# Altium PCB cheriot-test.PcbDoc (part 3 of 12)
Units mil, origin at the board's own origin, x right, y up, seen from the top; angles counter-clockwise.
Board outline 6629.92 x 3149.61 mil, 8 copper layers (Top Layer, Int1 (Sign), Int2 (GND), Int3 (Sign), Int4 (Sign), Int5 (PWR), Int6 (Sign), Bottom Layer), stack 60.424 mil thick; 496 components, 639 nets, 2898 pads, 1737 vias.
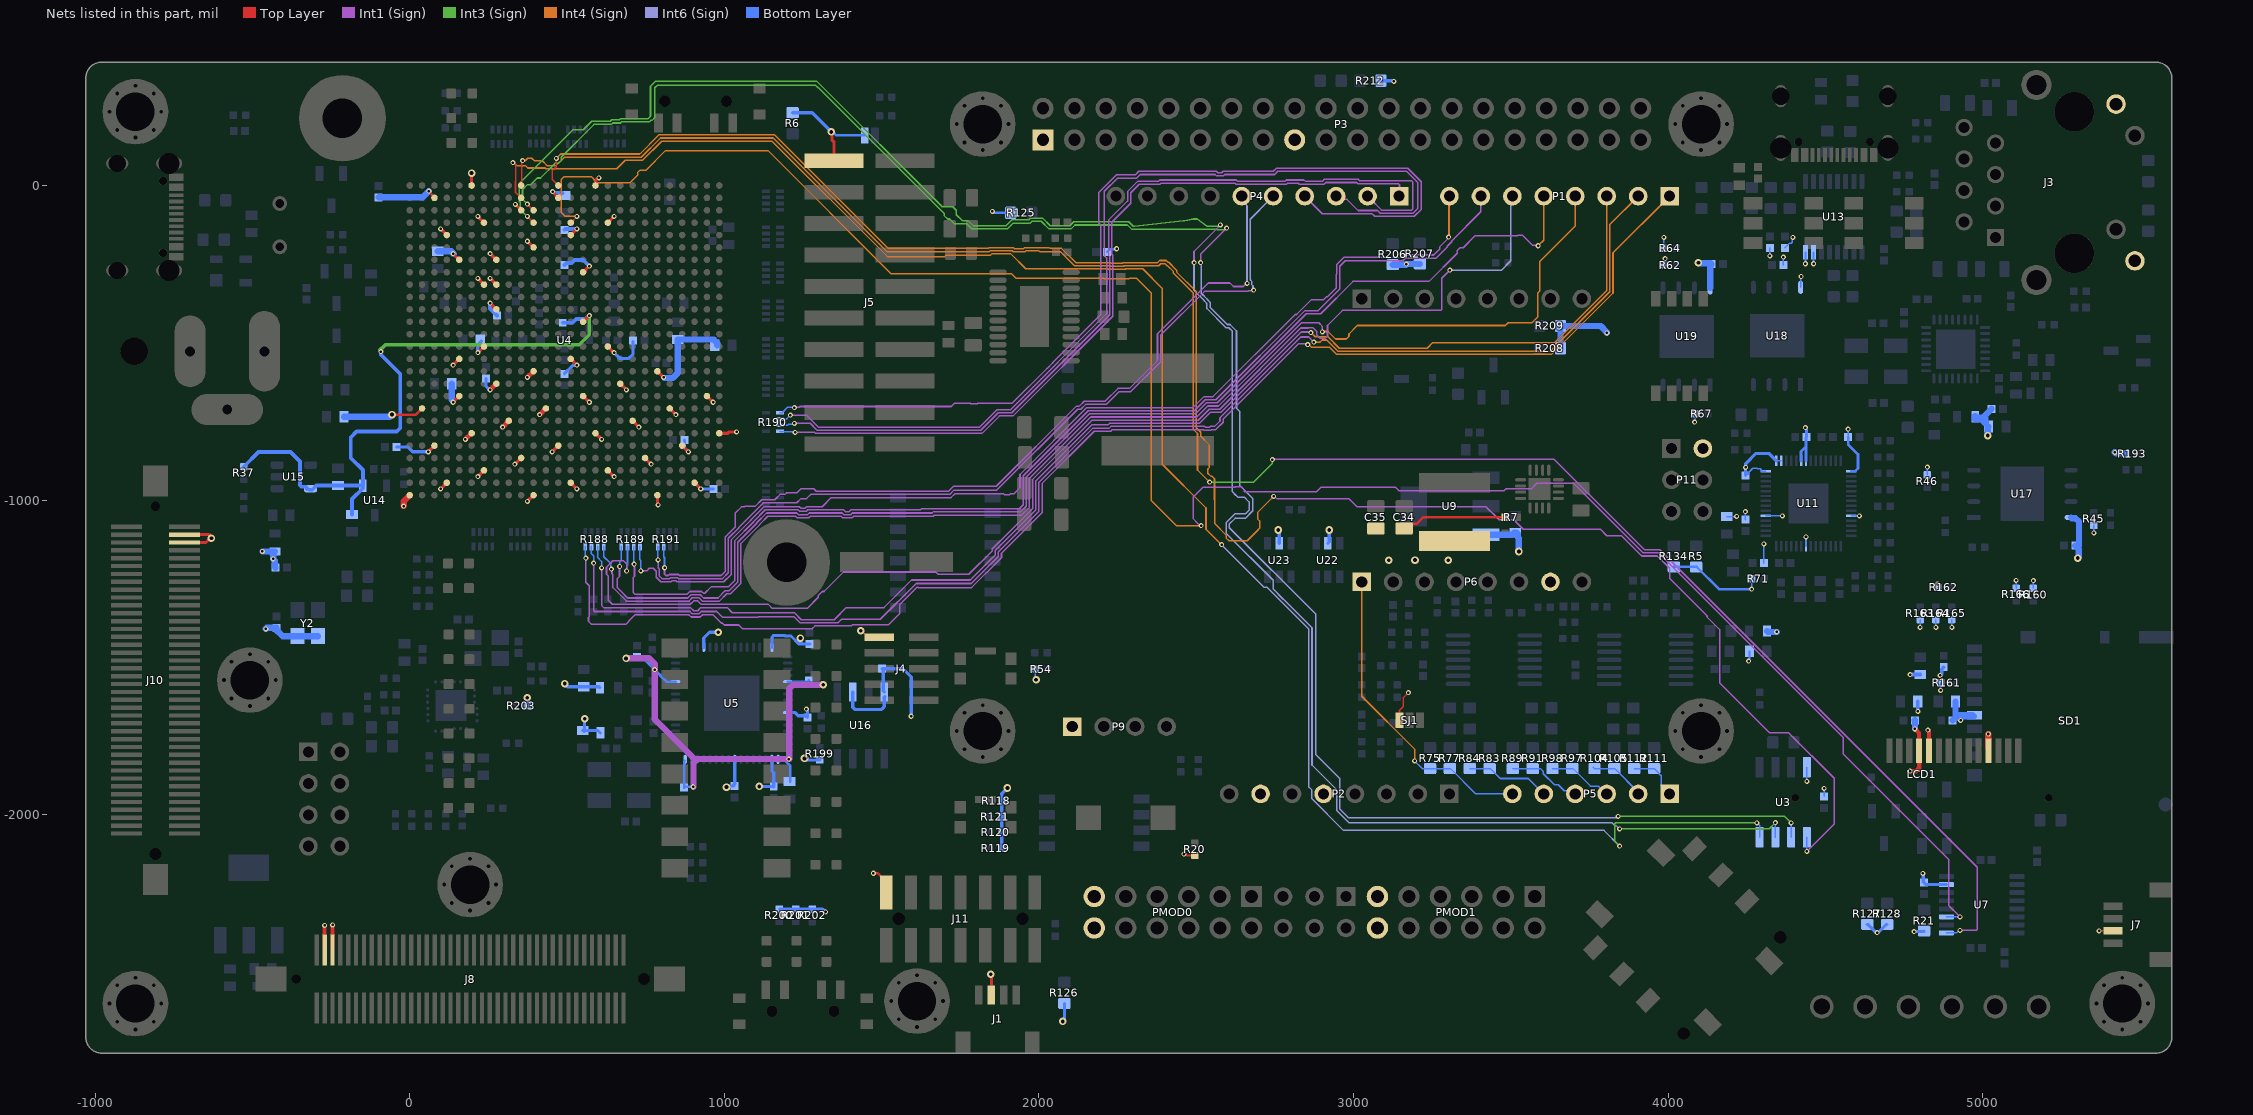
[diagram p9: the nets of this part, all layers, seen from the top]

## Part data (continued)
R47 R48 R49 R50 R51 R52 R55 R57 R59 R60 R61 R63 R65 R66 R68 R69 R70 R168 R169 R171 R186 R187: library part RCHIP-22R-0402, "22R res, 0402, 1%, 1/16W", Case-EIA=0402, Case-Metric=1005, Manufacture 1=Yageo, Manufacture Part Number 1=RC0402FR-0722RL, Rated Power=0.063W, Rated Voltage=75VDC, Supplier Part Number 1=311-22.0LRCT-ND, Temperature Range="-55C to 155C", Tolerance=1%, Component Group=Resistor, Component Type=Standard, Mounting Technology=SMT, Part Number=RCHIP-22R-0402, Pin Count=2, Supplier 1=Digi-Key
R56 R58: library part RCHIP-27R-0402, "27R res, 0402, 1%, 1/16W", Case-EIA=0402, Case-Metric=1005, Manufacture 1=Yageo, Manufacture Part Number 1=RC0402FR-0727RL, Rated Power=0.063W, Rated Voltage=75VDC, Supplier Part Number 1=YAG3086CT-ND, Temperature Range="-55C to 155C", Tolerance=1%, Component Group=Resistor, Component Type=Standard, Mounting Technology=SMT, Part Number=RCHIP-27R-0402, Pin Count=2, Supplier 1=Digi-Key
R73 R74 R193 R203: library part RCHIP-DNM-0402, Case-EIA=0402, Case-Metric=1005, Component Group=Resistor, Component Type=Standard, Part Number=RCHIP-DNM-0402, Pin Count=2
R76 R87 R94 R101 R108 R115: library part RCHIP-150K-0603, "150k res, 0603, 1%, 1/10W", Case-EIA=0603, Case-Metric=1608, Manufacture 1=Yageo, Manufacture Part Number 1=RC0603FR-07150KL, Rated Power=0.1W, Rated Voltage=75VDC, Supplier Part Number 1=311-150KHRCT-ND, Temperature Range="-55C to 155C", Tolerance=1%, Component Group=Resistor, Component Type=Standard, Mounting Technology=SMT, Part Number=RCHIP-150K-0603, Pin Count=2, Supplier 1=Digi-Key
R77 R83 R89 R97 R104 R111: library part RCHIP-1k-0603, "1k res, 0603, 1%, 1/10W", Case-EIA=0603, Case-Metric=1608, Manufacture 1=Yageo, Manufacture Part Number 1=RC0603FR-071KL, Part Number=RCHIP-1K-0603, Rated Power=0.1W, Rated Voltage=75VDC, Supplier Part Number 1=311-1.00KHRCT-ND, Temperature Range="-55C to 155C", Tolerance=1%, Component Group=Resistor, Component Type=Standard, Mounting Technology=SMT, Pin Count=2, Supplier 1=Digi-Key
R78 R85 R92 R99 R106 R113: library part RCHIP-2K-0402, "2k res, 0402, 1%, 1/16W", Case-EIA=0402, Case-Metric=1005, Manufacture 1=Yageo, Manufacture Part Number 1=RC0402FR-072KL, Rated Power=0.063W, Rated Voltage=75VDC, Supplier Part Number 1=311-2KLRCT-ND, Temperature Range="-55C to 155C", Tolerance=1%, Component Group=Resistor, Component Type=Standard, Mounting Technology=SMT, Part Number=RCHIP-2K-0402, Pin Count=2, Supplier 1=Digi-Key
R79 R86 R93 R100 R107 R114: library part RCHIP-180R-0402, "180R res, 0402, 1%, 1/16W", Case-EIA=0402, Case-Metric=1005, Manufacture 1=Yageo, Manufacture Part Number 1=RC0402FR-07180RL, Rated Power=0.063W, Rated Voltage=75VDC, Supplier Part Number 1=311-180LRCT-ND, Temperature Range="-55C to 155C", Tolerance=1%, Component Group=Resistor, Component Type=Standard, Mounting Technology=SMT, Part Number=RCHIP-180R-0402, Pin Count=2, Supplier 1=Digi-Key
R81 R90 R96 R103 R110 R117: library part RCHIP-845R-0402, "845R res, 0402, 1%, 1/16W", Case-EIA=0402, Case-Metric=1005, Manufacture 1=Yageo, Manufacture Part Number 1=RC0402FR-07845RL, Rated Power=0.063W, Rated Voltage=75VDC, Supplier Part Number 1=YAG3244CT-ND, Temperature Range="-55C to 155C", Tolerance=1%, Component Group=Resistor, Component Type=Standard, Mounting Technology=SMT, Part Number=RCHIP-845R-0402, Pin Count=2, Supplier 1=Digi-Key
R125 R126 R127 R128: library part RCHIP-2K2-0603, "2k2 res, 0603, 1%, 1/10W", Case-EIA=0603, Case-Metric=1608, Manufacture 1=Yageo, Manufacture Part Number 1=RC0603FR-072K2L, Rated Power=0.1W, Rated Voltage=75VDC, Supplier Part Number 1=311-2.20KHRCT-ND, Temperature Range="-55C to 155C", Tolerance=1%, Component Group=Resistor, Component Type=Standard, Mounting Technology=SMT, Part Number=RCHIP-2K2-0603, Pin Count=2, Supplier 1=Digi-Key
R130 R131 R132: library part RCHIP-75R-0805, "75R res, 0805, 1%, 1/8W", Case-EIA=0805, Manufacture 1=Yageo, Manufacture Part Number 1=RC0805FR-0775RL, Rated Power=0.125W, Rated Voltage=75VDC, Supplier Part Number 1=311-75.0CRCT-ND, Temperature Range="-55C to 155C", Tolerance=1%, Component Group=Resistor, Component Type=Standard, Mounting Technology=SMT, Part Number=RCHIP-75R-0805, Pin Count=2, Supplier 1=Digi-Key
R167: library part RCHIP-3K01-0402, "3k01 res, 0402, 1%, 1/16W", Case-EIA=0402, Case-Metric=1005, Manufacture 1=Yageo, Manufacture Part Number 1=RC0402FR-073K01L, Rated Power=0.063W, Rated Voltage=75VDC, Supplier Part Number 1=311-3.01KLRCT-ND, Temperature Range="-55C to 155C", Tolerance=1%, Component Group=Resistor, Component Type=Standard, Mounting Technology=SMT, Part Number=RCHIP-3K01-0402, Pin Count=2, Supplier 1=Digi-Key
R170 R172 R173 R174 R175 R176 R177 R178 R179 R180 R181 R182 R183 R184 R185 R188 R189 R190 R191 R194: library part 741C083330JP, "33-ohm, 0.5mm res array", Manufacture 1=CTS, Supplier Part Number 1=741C083330JPCT-ND, Component Group=Resistor, Component Type=Standard, Manufacture Part Number 1=741C083330JP, Mounting Technology=SMT, Part Number=741C083330JP, Pin Count=8, PP Material Stack=0, PP Rotation=0, PP Rotation1=0, Supplier 1=Digi-Key
R195: library part RCHIP-0R-0402, "2 ohm", Case-EIA=0402, Case-Metric=1005, Manufacture 1=Yageo, Manufacture Part Number 1=RC0402FR-070RL, Supplier Part Number 1=311-0.0LRCT-ND, Component Group=Resistor, Component Type=Standard, Part Number=RCHIP-0R-0402, Pin Count=2, Supplier 1=Digi-Key
R196 R197 R198 R204: library part RCHIP-49R9-0805, "49r9 res, 0805, 1%, 1/8W", Case-EIA=0805, Case-Metric=2012, Manufacture 1=Yageo, Manufacture Part Number 1=RC0805FR-0749R9L, Rated Power=0.125W, Rated Voltage=75VDC, Supplier Part Number 1=311-49.9CRCT-ND, Temperature Range="-55C to 155C", Tolerance=1%, Component Group=Resistor, Component Type=Standard, Mounting Technology=SMT, Part Number=RCHIP-49R9-0805, Pin Count=2, RoHS=Yes, Supplier 1=Digi-Key
R206 R207: library part RCHIP-1K8-0603, "1k8 res, 0603, 1%, 1/10W", Case-EIA=0603, Case-Metric=1608, Manufacture 1=Yageo, Manufacture Part Number 1=RC0603FR-071K8L, Rated Power=0.1W, Rated Voltage=75VDC, Supplier Part Number 1=311-1.80KHRCT-ND, Temperature Range="-55C to 155C", Tolerance=1%, Component Group=Resistor, Component Type=Standard, Mounting Technology=SMT, Part Number=RCHIP-1K8-0603, Pin Count=2, Supplier 1=Digi-Key
SD1: library part CMP-2000-05150-1, "Micro SD Card Connector, 0.5 A, 125 V, -25 to 85 degC, 8-Pin SMD, RoHS, Tape and Reel", Manufacturer="Hirose Electric", Package Description="8-Pin Surface Mount Device, Body 16.15 x 13.85 mm, Pitch 1.1 mm", Package Reference=DM3AT-8, Standard Package=1, Card Type=SecureDigital-microSD™, Category=Connectors,Interconnects, Connector Type=ConnectorandEjector, Contact Finish=Gold, Contact Finish Thickness=-, Datasheet URL=https://ciiva.com/datasheet-click-46418261?src=ciiva&sig=4019062a, Datasheet Version=Jun-10, Ejector Side=-, Family=MemoryConnectors-PCCardSockets, Featured Product=DM3ATSeries, Features=Switch, Height Above Board="0.066\"(1.68mm)", HTML Datasheet=DM3SeriesmicroSD.html, Insertion, Removal Method=PushIn,PushOut, Manufacturer URL=https://www.hirose.com, Mounting Feature=Normal,Standard-Top, Mounting Type=SurfaceMount,RightAngle, Number of Positions=10(8+2), Online Catalog=DM3Series, Other Names=HR1964DKR, Package URL=https://www.hirose.com/product/en/download_file/key_name/DM3/category/Catalog/doc_file_id/49662/?file_category_id=4&item_id=195&is_series=1, Packaging=Digi-Reel, Product Training Modules=DM3SeriesmicroSDCardSockets, Series=DM3
SJ1: library part SJ_3S_12JMP, "Solder Jumper, NC", Component Group="PCB Feature", Component Type="Standard (No BOM)", Mounting Technology=COPPER, Part Number=SJ_3S_12JMP, Pin Count=3
SJ2: library part SJ_2S_NO, "Solder Jumper, NO", Component Group="PCB Feature", Component Type="Standard (No BOM)", Mounting Technology=COPPER, Part Number=SJ_2S_NO, Pin Count=2
SW1 SW6: library part CMP-07018-000008-1, "SWITCH SLIDE DIP SPST 25MA 24V", Current Rating=25mA, Max Operating Temperature=85°C, Max Voltage Rating (DC)=24V, Min Operating Temperature=-55°C, Package Quantity=2000, Actuator Type="Slide (Standard)", Contact Material=Copper, Contact Plating=Gold, Depth=8.44mm, Electrical Life=1000Cycles, Lead Free="Lead Free", Length=0.246inch, Max Current Rating=25mA, Mechanical Life=1000Cycles, Mount="Surface Mount", Number of Positions=4, Orientation=Straight, Packaging="Tape and Reel", Pitch=0.05inch, Radiation Hardening=No, RoHS Compliant=Yes, Series=218, Termination="Gull Wing", Throw Configuration=SPST, Voltage Rating (DC)=24V, Washable=Yes
SW2: library part CMP-07018-000007-1, "SWITCH SLIDE DIP SPST 25MA 24V", Contact Resistance=100mR, Current Rating=25mA, Max Operating Temperature=85°C, Max Voltage Rating (DC)=24V, Min Operating Temperature=-55°C, Package Quantity=40, Actuator Type="Slide (Standard)", Contact Material=Copper, Contact Plating=Gold, Depth=8.44mm, Electrical Life=1000Cycles, Height=2.65mm, Lead Free="Lead Free", Length=0.446inch, Max Current Rating=25mA, Mount="Surface Mount", Number of Positions=8, Orientation=Straight, Packaging=Rail/Tube, Pitch=0.05inch, Radiation Hardening=No, RoHS Compliant=Yes, Series=218, Terminal Pitch=1.27mm, Termination="Gull Wing", Throw Configuration=SPST, Voltage Rating (DC)=24V, Washable=Yes
SW3 SW7: library part CMP-71745-000014-1, "SWITCH SLIDE SP3T 300MA 4V", Current Rating=300mA, Max Operating Temperature=70°C, Max Voltage Rating (DC)=20V, Min Operating Temperature=-20°C, Voltage Rating (DC)=4V, Actuator Length=1.5mm, Actuator Material=Nylon, Actuator Type=Standard, Contact Material="Copper Alloy", Contact Plating=Gold, Contact Style=Non-Shorting, Electrical Life=10000Cycles, Mount="Surface Mount", Orientation="Right Angle", Packaging="Tape and Reel", Radiation Hardening=No, RoHS Compliant=Yes, Series=CUS, Switch Function=On-On-On, Switch Travel=1.5mm, Termination="Gull Wing", Throw Configuration=SP3T
SW4: library part CMP-03400-000015-1, "SWITCH SLIDE DIP SPST 100MA 24V", Contact Current Rating=100mA, Contact Resistance=50mΩ, Current Rating=1A, Manufacturer="TE Connectivity", Package=0, Temperature="-30°C to +85°C", Temperature Range High=+85°C, Temperature Range Low=-30°C, Voltage Rating Dc=24V, Automotive=No, Category=Switch, ComponentLink2Description=Datasheet, ComponentLink2URL=https://www.te.com/commerce/DocumentDelivery/DDEController?Action=showdoc&DocId=Customer+Drawing%7F1825058%7FS5%7Fpdf%7FEnglish%7FENG_CD_1825058_S5.pdf%7F1-1825058-9, Device Class L1=Electromechanical, Device Class L2=Switches, Device Class L3="DIP Switches", Digikey Description="SWITCH SLIDE DIP SPST 100MA 24V", Electromechanical Life=1000Cycles, Height=5.1mm, Lead Free=Yes, Manufacturer Part Number=1-1825058-9, Mount="Surface Mount", Number Of Circuits=8, Octopart=https://octopart.com/1-1825058-9-te+connectivity-46507285, RoHS=TRUE, Throw Configuration=SPST
SW5: "Pushbutton, SMD, 2.5NM force, NO", Manufacture 1=Panasonic, Supplier Part Number 1=P16856CT-ND, Component Group=Switch, Component Type=Standard, Manufacture Part Number 1=EVP-ASDC1A, Mounting Technology=SMT, Part Number=EVP-ASDC1A, Pin Count=2, Supplier 1=Digi-Key
SW8: "5-Way Joystick", Manufacture 1=TE, Component Group=Switch, Component Type=Standard, Manufacture Part Number 1=2425755-1, Part Number=2425755-1, Pin Count=10, PP Material Stack=0, PP Rotation=0, PP Rotation1=0, Supplier 1=Digi-Key
SW9 SW10: library part CMP-10040-000023-1, "SWITCH TACTILE SPST-NO 0.05A 32V", Contact Current Rating=50mA, Max Operating Temperature=85°C, Max Voltage Rating (DC)=32V, Min Operating Temperature=-40°C, Operating Force=1.2N, Package Quantity=1, Power Rating=1W, Actuator Length=0.5mm, Actuator Type=Standard, Contact Material=Silver, Contact Plating=Silver, Current Rating=50mA, Depth=4.6mm, Illumination Type=Non-Illuminated, Lead Free="Lead Free", Length=2.8mm, Max Current Rating=50mA, Mechanical Life=200000Cycles, Mount="Surface Mount", Orientation=Straight, Packaging="Tape and Reel", Radiation Hardening=No, REACH SVHC="No SVHC", Switch Function=Off-Mom, Switch Travel=0.2mm, Termination="Gull Wing", Throw Configuration=SPST, Voltage Rating (DC)=32V, Width=2.8mm
U1: "USB 2.0 high-speed ESD", Supplier Part Number 1=568-7445-1-ND, Component Group=Diode, Component Type=Standard, Part Number=PRTR5V0U2AX, Pin Count=4, Supplier 1=Digi-Key
U2: "IC REG LIN POS 3.3V 800MA SOT223", Manufacture 1=STMicroelectronics, Manufacture Part Number 1=LD1117S33TR, Rated Voltage=15V, Supplier Part Number 1=497-1242-1-ND, Component Group="Analog IC", Component Type=Standard, Mounting Technology=SMT, Part Number=LD1117S33, Pin Count=3, PP Material Stack=0, PP Rotation=0, RoHS=Yes, Supplier 1=Digi-Key
U3: library part ISL83485I, "IC TXRX RS422/RS485", Manufacture 1=Renesas, Supplier Part Number 1=ISL83485IBZ-TCT-ND, Component Group="Digital IC", Component Type=Standard, Manufacture Part Number 1=ISL83485IBZ-T, Mounting Technology=SMT, Part Number=ISL83485I, Pin Count=8, RoHS=Yes, Supplier 1=Digi-Key
U4: library part CMP-0364-00015-4, "IC FPGA 400 I/O 676FCBGA", Manufacturer=Xilinx, Max Junction Temp=+85°C, Max Supply Voltage=1.05V, Min Supply Voltage=0.95V, Package=0, Temperature="0°C to +85°C", Temperature Range Low=0°C, Automotive=No, Category=IC, Ciiva Ids=8919048, ComponentLink2Description=Datasheet, ComponentLink2URL=https://www.xilinx.com/support/documentation/data_sheets/ds181_Artix_7_Data_Sheet.pdf, Device Class L1="Integrated Circuits (ICs)", Device Class L2="Embedded Processors and Controllers", Device Class L3="FPGAs - Field Programmable Gate Arrays", Digikey Description="IC FPGA 400 I/O 676FCBGA", Footprint Url=https://www.xilinx.com/support/documentation/user_guides/ug475_7Series_Pkg_Pinout.pdf, Height=2.54mm, Import Ts=1521861070, Ipc Land Pattern Name=BGA676C100P26X26_2700X2700X234, Lead Free=Yes, Manufacturer Part Number=XC7A200T-1FBG676C, Memory Size=1GBytes, Memory Type=DDR3, Number Of I/Os=500, Number Of Logic Blocks=16825, Number Of Logic Elements Cells=215360, Number Of Registers=269200, Octopart=https://octopart.com/xc7a200t-1fbg676c-xilinx-27810760, Ram Size=13455360bits, Release Date=1402465632, RoHS=TRUE, Speed Grade=1, Standoff Height=0.4mm, Temperature Range High=+85°C
U5: library part CMP-0078-00002-3, "Quad High Speed USB To Multipurpose UART/MPSSE IC, 64-pin QFN, Tray", Manufacturer=FTDI, ComponentLink1Description="Manufacturer URL", ComponentLink1URL=http://www.ftdichip.com/, ComponentLink2Description=Datasheet, ComponentLink2URL=http://www.ftdichip.com/Support/Documents/DataSheets/ICs/DS_FT4232H.pdf, DatasheetVersion="ver 2.2, Jan-2012", PackageDescription="64-Pin Quad Flat No-Lead, 9 x 9 mm Body, 0.5 mm Pitch, 4.35 x 4.35 mm Exposed Pad", PackageReference=QFN64_2, PackageVersion=Jan-12, PartNumber=FT4232HQ-Tray, RevisionNote="DatasheetVersion updated to 2.2 Jan-2012"
U6: library part CMP-2000-06522-2, "IC ETHERNET CTLR 1PORT PCI 32MLF", Case/Package=QFN, Max Operating Temperature=85°C, Max Supply Current=85mA, Max Supply Voltage=3.5V, Min Operating Temperature=-40°C, Min Supply Voltage=3.1V, Nominal Supply Current=75mA, Operating Supply Voltage=3.3V, Package Quantity=1000, Data Rate=100Mbps, Height=0.85mm, Interface=SPI, Lead Free="Lead Free", Length=5mm, Mount="Surface Mount", Number of Functions=1, Number of Pins=32, Number of Ports=1, Number of Transceivers=1, Packaging="Tape and Reel", Radiation Hardening=No, REACH SVHC="No SVHC", Series=-, Supply Current=75mA, Supply Voltage-Nom=3.3V, Width=5mm
U7: library part CMP-0299-01761-2, "3-V to 5.5-V Single-Channel RS-232 Line Driver / Receiver with ±15-kV ESD Protection, -40 to 85 degC, 16-Pin TSSOP (PW), Green (RoHS & no Sb/Br)", Drivers Per Package=1, Supply Voltage(s)(V)="3.3 or 5.0", ComponentLink1Description="Manufacturer URL", ComponentLink1URL=www.ti.com, ComponentLink2Description=Datasheet, ComponentLink2URL=http://www.ti.com/general/docs/lit/getliterature.tsp?genericPartNumber=MAX3221&fileType=pdf, ComponentLink3Description="Package Specification", ComponentLink3URL=http://www.ti.com/litv/pdf/mpds361, DatasheetVersion=SLLS348M, ESD HBM(kV)=+/-15, ICC(Max)(mA)=1, PackageDescription="16-Pin Plastic Thin Small Outline Package 5 x 4.4 mm Body ,0.65 mm Pitch", PackageReference=PW0016A, PackageVersion="revG, Feb-2011", Receivers Per Package=1, RS-232=TRUE, Single Supply=TRUE, SubFamily=RS-232
U8: "Switching supply controller, 2A", Manufacture 1=Richtek, Component Group="Analog IC", Component Type=Standard, Manufacture Part Number 1=RT8058, Part Number=RT8058, Pin Count=17, PP Material Stack=0, PP Rotation=0
U9: "IC REG LIN POS 1.8V 800MA SOT223", Manufacture 1=STMicroelectronics, Manufacture Part Number 1=LD1117S18TR, Rated Voltage=15V, Supplier Part Number 1=497-7308-1-ND, Component Group="Analog IC", Component Type=Standard, Mounting Technology=SMT, Part Number=LD1117S18, Pin Count=3, PP Material Stack=0, PP Rotation=0, RoHS=Yes, Supplier 1=Digi-Key
U10: "IC Reg Buck Adj/Prog 12A", Manufacture 1="Texas Instruments", Supplier Part Number 1=296-TPS56C20PWPRCT-ND, Component Group="Analog IC", Component Type=Standard, Manufacture Part Number 1=TPS56C20PWPR, Mounting Technology=SMT, Part Number=TPS56C20PWPR, Pin Count=25, PP Material Stack=0, PP Rotation=0, PP Rotation1=0, Supplier 1=Digi-Key
U11: "Connector", Manufacturer_Name=RASPBERRY-PI, Manufacturer_Part_Number=SC0914(7), Mouser Part Number=358-SC09147, Datasheet Link=https://www.mouser.com/datasheet/2/635/rp2040_datasheet-3048960.pdf, Height=0.9mm, Mouser Price/Stock=https://www.mouser.co.uk/ProductDetail/Raspberry-Pi/SC09147?qs=T%252BzbugeAwjhSpdbCB4ve%252Bg%3D%3D
U12: library part CMP-06284-000010-1, "IC HUB CTLR USB 2.0 24QFN", Ambient Temperature Range High=+85°C, Ambient Temperature Range Low=-40°C, Manufacturer=Microchip, Max Supply Voltage=3.6V, Min Supply Voltage=3V, Nominal Supply Current=29-70mA, Package=24-S4QFN-4x4B-0.5P, Temperature="-40°C to +85°C", Automotive=No, Category=IC, ComponentLink2Description=Datasheet, ComponentLink2URL=http://ww1.microchip.com/downloads/en/DeviceDoc/00001726B.pdf, Device Class L1="Integrated Circuits (ICs)", Device Class L2="Interface ICs", Device Class L3="USB Interface ICs", Digikey Description="IC HUB CTLR USB 2.0 24QFN", Height=1mm, Interface=I2C,USB,SMBus, Ipc Land Pattern Name=QFN50P400X400X90-24, Lead Free=Yes, Manufacturer Part Number=USB2422-I/MJ, Mouser Description="Microchip USB2422-I/MJ; USB Controller; USB 2.0; 3 - 3.6 V; 24-Pin SQFN", Number of Ports=2, Octopart=https://octopart.com/usb2422-i%2Fmj-microchip-29030614, RoHS=TRUE, Standoff Height=0mm, Temperature Range High=+85°C, Temperature Range Low=-40°C, Usb Standard="USB 2.0"
U13: library part CMP-0309-00090-2, "Advanced USB Transciever, Full Speed, Differential, +/-15 KV, -40 to 85 degC, 16-Pin TSSOP (PW), Green (RoHS & no Sb/Br)", Manufacturer="Texas Instruments", Code_JEDEC=MO-153, ComponentLink1Description=Datasheet, ComponentLink1URL=http://www.ti.com/general/docs/lit/getliterature.tsp?genericPartNumber=TUSB1106&fileType=pdf, ComponentLink2Description="Package Specification", ComponentLink2URL=http://www.ti.com/lit/ml/mpds361/mpds361.pdf, DatasheetVersion=SCAS818E, Eco-Plan="Green (RoHS & no Sb/Br)", ESD HBM(kV)=+/-15, Mounting Technology="Surface Mount", PackageDescription="16-Pin Plastic Thin Small Outline Package 5 x 4.4 mm Body ,0.65 mm Pitch", PackageReference=PW0016A, PackageVersion="revG, Feb-2011", PartNumber=TUSB1106PWR, SubFamily="USB Transceiver", USB Speed=Full
U14: "IC VREF SERIES 0.2% SOT23-3", Case/Package=SOT-23, Manufacture 1="Texas Instruments", Max Input Voltage=5.5V, Max Operating Temperature=125°C, Max Output Current=25mA, Max Output Voltage=1.25V, Max Supply Current=50uA, Min Input Voltage=1.8V, Min Operating Temperature=-40°C, Min Output Voltage=1.248V, Nominal Supply Current=42uA, Package Quantity=1, Supplier Part Number 1=REF3012AIDBZTTR-ND, Temperature Coefficient=50ppm/°C, Category="Voltage References", Component Group="Analog IC", Component Type=Standard, ComponentLink3Description=https://datasheet.ciiva.com/2007/ref3012-2007154.pdf?src-supplier=Digi-Key, ComponentLink3URL=https://datasheet.ciiva.com/2007/ref3012-2007154.pdf?src-supplier=Digi-Key, ComponentLink4Description=https://datasheet.ciiva.com/2007/ref3012-2007155.pdf?src-supplier=Digi-Key, ComponentLink4URL=https://datasheet.ciiva.com/2007/ref3012-2007155.pdf?src-supplier=Digi-Key, ComponentLink5Description=https://datasheet.ciiva.com/3235/ref3033-3235533.pdf?src-supplier=Avnet, ComponentLink5URL=https://datasheet.ciiva.com/3235/ref3033-3235533.pdf?src-supplier=Avnet, ComponentLink6Description=https://datasheet.ciiva.com/3235/ref3033-3235534.pdf?src-supplier=Avnet, ComponentLink6URL=https://datasheet.ciiva.com/3235/ref3033-3235534.pdf?src-supplier=Avnet, Height=1mm, Lead Free="Lead Free", Length=2.92mm, Manufacture Part Number 1=REF3012AIDBZT, Manufacturer Part Number=REF3012AIDBZT, Mounting Technology=SMT, Number of Channels=1, Number of Pins=3, Output Current=25mA, Output Voltage=1.25V, Packaging="Tape and Reel", Part Number=REF3012AIDBZT, Pin Count=3, PP Material Stack=0, PP Rotation=0, Pricing 1="1=1.18000, 10=1.05300, 25=0.99960, 100=0.76760 (USD)", Quiescent Current=50uA, Radiation Hardening=No, REACH SVHC="No SVHC", Reference Type=Series,Fixed, Reference Voltage=1.25V, RoHS=Yes, Stock 1=7831, Supplier 1=Digi-Key, Termination=SMD/SMT, Width=1.3mm
U15: library part ADP123AUJZ-R7, "IC REG LIN POS ADJ 300MA TSOT5", Case/Package=TSOT, Dropout Voltage=85mV, Manufacture 1="Analog Devices Inc.", Max Input Voltage=5.5V, Max Operating Temperature=125°C, Max Output Current=300mA, Max Output Voltage=5V, Max Supply Current=170uA, Min Current Limit=350mA, Min Input Voltage=2.3V, Min Operating Temperature=-40°C, Min Output Voltage=800mV, Nominal Supply Current=45uA, Output Voltage Accuracy=1%, Power Supply Rejection Ratio (PSRR)=60dB, Reference Voltage=500mV, Supplier Part Number 1=ADP123AUJZ-R7TR-ND, Accuracy=1%, Category="Voltage Regulators - Linear", Component Group="Analog IC", Component Type=Standard, ComponentLink3Description=https://datasheet.ciiva.com/2040/adp122-123-2040698.pdf?src-supplier=Digi-Key, ComponentLink3URL=https://datasheet.ciiva.com/2040/adp122-123-2040698.pdf?src-supplier=Digi-Key, ComponentLink4Description=https://datasheet.ciiva.com/2040/adp122-123-2040699.pdf?src-supplier=Digi-Key, ComponentLink4URL=https://datasheet.ciiva.com/2040/adp122-123-2040699.pdf?src-supplier=Digi-Key, Contact Plating=Tin,Matte, Height=0.9mm, Lead Free="Contains Lead", Length=2.9mm, Manufacture Part Number 1=ADP123AUJZ-R7, Manufacturer Part Number=ADP123AUJZ-R7, Mounting Technology=SMT, Number Of Outputs=1, Number of Pins=5, Number of Regulators=1, Operating Supply Current=45uA, Output Current=300mA, Output Type=Adjustable, Output Voltage=5V, Packaging="Tape and Reel", Part Number=ADP123AUJZ-R7, Pin Count=5, Polarity=Positive, PP Material Stack=0, PP Rotation=0, Pricing 1="1=1.16000, 10=1.03300, 25=0.98000, 100=0.75250, 250=0.66500, 500=0.63000, 1000=0.49000 (USD)", Quiescent Current=45uA, REACH SVHC="No SVHC", Stock 1=14167, Supplier 1=Digi-Key, Width=1.6mm
U16: library part CMP-06313-000016-1, "IC EEPROM 1K SPI 2MHZ 8SOIC", Frequency=2MHz, Manufacturer=Microchip, Max Supply Voltage=5.5V, Min Supply Voltage=1.8V, Nominal Supply Current=0.5mA, Package=C04-057-SN, Temperature="-40°C to +85°C", Temperature Range High=+85°C, Temperature Range Low=-40°C, Access Time=1000ns, Automotive=No, Category=IC, ComponentLink2Description=Datasheet, ComponentLink2URL=http://ww1.microchip.com/downloads/en/DeviceDoc/20006224B.pdf, Device Class L1="Integrated Circuits (ICs)", Device Class L2=Memory, Device Class L3=EEPROM, Digikey Description="IC EEPROM 1K SPI 2MHZ 8SOIC", Height=1.75mm, Interface=Other, Ipc Land Pattern Name=SOIC127P600X175-8, Lead Free=Yes, Manufacturer Part Number=AT93C46DN-SH-T, Memory Size=1Kbits, Memory Type=EEPROM, Mouser Description="EEPROM Serial-3Wire 1K-Bit 128 x 8/64 x 16 2.5V/3.3V/5V 8-Pin SOIC T/R", Octopart=https://octopart.com/at93c46dn-sh-t-microchip-77759177, RoHS=TRUE, Standoff Height=0.1mm
U17 U19: library part MT25QL256ABA1EW9-0SIT, "IC FLASH 256M SPI 133MHZ 8WPDFN", Manufacture 1=Winbond, Component Group="Digital IC", Component Type=Standard, Manufacture Part Number 1=W25Q256JVEIQ, Mounting Technology=SMT, Part Number=W25Q256JVEIQ, Pin Count=9, PP Material Stack=0, PP Rotation=0, PP Rotation1=0, RoHS=Yes, Supplier 1=Digi-Key
U18: library part MT25QL256ABA1EW9-0SIT, "IC FLASH 64M SPI 133MHZ 8WPDFN", Manufacture 1=Winbond, Component Group="Digital IC", Component Type=Standard, Manufacture Part Number 1=W25Q64JVZEIQ, Mounting Technology=SMT, Part Number=W25Q64JVZEIQ, Pin Count=9, PP Material Stack=0, PP Rotation=0, PP Rotation1=0, RoHS=Yes, Supplier 1=Digi-Key
U20 U21: library part CMP-0187-00805-2, "None", Case/Package=TSSOP, Input Bias Current=100pA, Input Offset Voltage (Vos)=4.5mV, Max Operating Temperature=125°C, Max Supply Voltage=6V, Min Operating Temperature=-40°C, Min Supply Voltage=1.8V, Nominal Supply Current=45uA, Output Current=15mA, Power Supply Rejection Ratio (PSRR)=63dB, Voltage Gain=110dB, Amplifier Type="GENERAL PURPOSE", Common Mode Rejection Ratio=56dB, Gain Bandwidth Product=1MHz, Lead Free="Lead Free", Mount="Surface Mount", Number of Channels=4, Number Of Circuits=4, Number of Elements=4, Number of Pins=14, Packaging="Tape and Reel", RoHS Compliant=Yes, Slew Rate=0.5V/µs, Supply Current=45uA, Technology=CMOS, Unity Gain Bandwidth Product=1MHz
U22 U23: library part TVS_4IO_3v3, "TVS DIODE 3.3V 6V SOT23-6L", Manufacture 1="Wurth Electronics Inc.", Manufacture Part Number 1=824013, Supplier Part Number 1=732-4466-1-ND, Component Group="Analog IC", Component Type=Standard, Mounting Technology=SMT, Part Number=TVS_4IO_3v3, Pin Count=6, PP Material Stack=0, PP Rotation=0, RoHS=Yes, Supplier 1=Digi-Key
X1: "CRYSTAL 24.0000MHZ 10PF SMD", Manufacture 1="Abracon LLC", Supplier Part Number 1=535-10913-1-ND, Component Group=Crystal, Component Type=Standard, Manufacture Part Number 1=ABM8G-24.000MHZ-4Y-T3, Part Number=ABM8G-24.000MHZ-4Y-T3, Pin Count=4, Supplier 1=Digi-Key
X2: "12MHz, SMD", Manufacture 1="Abracon LLC", Supplier Part Number 1=535-13360-1-ND, Component Group=Crystal, Component Type=Standard, Manufacture Part Number 1=ABM10AIG-12.000MHZ-4Z-T3, Mounting Technology=SMT, Part Number=ABM10AIG-12.000MHZ-4Z-T3, Pin Count=4, PP Material Stack=0, PP Rotation=0, Supplier 1=Digi-Key
Y1: "12MHz ±25ppm Crystal 16pF 35 Ohms 4-SMD, No Lead", Manufacture 1="Raltron Electronics", Supplier Part Number 1=2151-H130B-12.000-16-2525-EXT-TR-ND, Component Group=Crystal, Component Type=Standard, Manufacture Part Number 1=H130B-12.000-16-2525-EXT-TR, Manufacturer Part Number=H130B-12.000-16-2525-EXT-TR, Mounting Technology=SMT, Part Number=H130B-12.000-16-2525-EXT-TR, Pin Count=4, PP Material Stack=0, PP Rotation=0, Pricing 1="1=0.590000, 10=0.488000, 50=0.439400, 100=0.390600, 500=0.371100 (USD)", Stock 1=4955, Supplier 1=Digi-Key
Y2: library part CMP-2000-05795-3, "XTAL Oscillator 25MHz ±50ppm CMOS 3.3V 4-SMD 3.2mm x 2.5mm", Case/Package=SMD/SMT, Frequency=25MHz, Frequency Stability=50ppm, Load Capacitance=15pF, Max Operating Temperature=85°C, Max Supply Current=13mA, Max Supply Voltage=3.465V, Min Operating Temperature=-40°C, Min Supply Voltage=3.135V, Operating Frequency="25 MHz", Operating Supply Voltage=3.3V, Package Quantity=1000, Depth=2.5mm, Height=0.047inch, Lead Free="Lead Free", Length=3.2mm, Mount="Surface Mount", Number of Pins=4, Packaging="Tape and Reel", Radiation Hardening=No, Series=ASE, Termination=SMD/SMT, Width=2.5mm
Y3: "12MHz ±25ppm Crystal 16pF 35 Ohms 4-SMD, No Lead", Manufacture 1="Raltron Electronics", Manufacture Part Number 1=H130B-25.000-18-1030-EXT-TR, Supplier Part Number 1=2151-H130B-12.000-16-2525-EXT-TR-ND, Component Group=Crystal, Component Type=Standard, Manufacturer Part Number=H130B-25.000-18-1030-EXT-TR, Mounting Technology=SMT, Part Number=H130B-25.000-18-1030-EXT-TR, Pin Count=4, PP Material Stack=0, PP Rotation=0, Pricing 1="1=0.590000, 10=0.488000, 50=0.439400, 100=0.390600, 500=0.371100 (USD)", Stock 1=4955, Supplier 1=Digi-Key

## Via types
v1: diameter 16, hole 8, Top Layer to Bottom Layer, tented both sides, 1442 vias
v2: diameter 24, hole 12, Top Layer to Bottom Layer, tented both sides, 257 vias
v3: diameter 23.62, hole 11.81, Top Layer to Bottom Layer, tented both sides, 16 vias
v4: diameter 45, hole 20, Top Layer to Bottom Layer, 14 vias
v5: diameter 19.68, hole 8, Top Layer to Bottom Layer, 8 vias

## Nets (pads, with @x,y where several pads share a name; then routed paths per layer and width w, separated by ;. In a path a pad name is that pad's centre, name@x,y a point inside that pad or via, vN(x,y) a via of type N, cw(c..) or ccw(c..) an arc to the next point about the centre after c; other vN are vias at no path point)
1V8_FTDI: C76.1 C117.1 C134.1 C135.1 U5.12 U5.37 U5.49 U5.64 | length 1702.9
  Int1 (Sign) w20: v2(688,-1503) 761,-1503 779,-1521 v1(779,-1538.69) ; v1@779,-1545 779,-1696 909.86,-1826.86 ; v1@902,-1912 902,-1834.72 909.86,-1826.86 ; 910,-1827 909.86,-1826.86 ; v1(1205,-1823) 913.72,-1823 909.86,-1826.86 ; v1@1206.81,-1823 1206.81,-1598.9 1218.53,-1587.19 v2(1314.19,-1587.19)
  Bottom Layer w8: v2(688,-1503) 689,-1504 718.11,-1504 C134.1@723,-1499.11 ; C134.1@730,-1504 730,-1506.11 731.6,-1507.71 748.02,-1507.71 v1@778.66,-1538.34 ; v1@779,-1538 v1(779,-1538.69) 796,-1555.69 796,-1557 815.97,-1576.97 U5.12@845.35,-1576.97 ; U5.64@875,-1828 872.13,-1830.87 C117.1@872.13,-1914.02 875.14,-1911 v1(901,-1911) ; U5.49@1171.14,-1824.02 1189.02,-1824.02 1195,-1830 ; U5.37@1201.65,-1576.97 1261.97,-1576.97 C135.1@1265,-1580 ; v1(1205,-1823) 1202,-1823 1195,-1830 ; C76.1@1210,-1895 1210,-1845 1195,-1830 ; C135.1@1268.54,-1573.11 1277.14,-1581.71 1304.38,-1581.71 1309.86,-1587.19 v2(1314.19,-1587.19)
3V3_FTDI: C21.1 C22.1 C23.1 C24.1 C25.1 C26.1 C27.1 C28.1 C29.1 C30.1 C34.1 C35.1 C54.1 C55.1 C56.1 C64.2 C65.1 C69.1 C72.1 C75.1 C79.1 C80.1 C82.1 C83.1 C86.1 C87.1 C88.1 C89.1 C90.1 C91.1 C100.1 C110.1 C111.1 C112.1 C113.1 C114.1 C115.1 C121.1 C122.1 C125.1 C129.1 C136.1 C137.1 C138.1 C141.1 C152.1 C153.1 C154.1 C155.1 C156.1 C157.1 C158.1 J1.2 J3.9 J3.12 J4.1 J5.1 J7.2 J8.75 J8.77 J10.75 J10.77 J11.2 L1.2 L3.1 L5.1 L6.1 L7.1 L9.1 LCD1.4 LCD1.10 LCD1.11 P2.5 P2.7 P3.1 P3.17 P6.7 P9.1 P11.2 PMOD0.6 PMOD0.12 PMOD1.6 PMOD1.12 R5.1 R6.1 R7.1 R20.1 R21.2 R45.1 R46.1 R54.1 R62.1 R64.1 R67.2 R71.2 R118.1 R119.1 R120.1 R121.1 R125.1 R126.1 R127.1 R128.1 R134.1 R160.2 R161.2 R162.2 R163.2 R164.2 R165.2 R166.2 R193.1 R199.1 R200.2 R201.2 R202.2 R203.1 R206.2 R207.2 R208.1 R209.1 R212.2 SD1.4 SJ1.1 SJ2.1 U3.8 U4.A21 U4.AA1 U4.AA21 U4.AB7 U4.AB15 U4.AB18 U4.AC5 U4.AC25 U4.AD2 U4.AD22 U4.AE19 U4.AF26 U4.B18 U4.C25 U4.D22 U4.E19 U4.F16 U4.F26 U4.G23 U4.H20 U4.J17 U4.K4 U4.K14 U4.K24 U4.L1 U4.L21 U4.M8 U4.M18 U4.N5 U4.N15 U4.N25 U4.P2 U4.P22 U4.R19 U4.T6 U4.T16 U4.T26 U4.U3 U4.U23 U4.V20 U4.W7 U4.W9 U4.W11 U4.W17 U4.Y4 U4.Y9 U4.Y14 U4.Y24 U5.20 U5.31 U5.42 U5.50 U5.56 U7.15 U9.3 U11.1 U11.10 U11.22 U11.33 U11.42 U11.43 U11.44 U11.48 U11.49 U13.15 U13.16 U16.6 U16.8 U17.8 U18.8 U19.8 U22.5 U23.5 Y2.1 Y2.4 | length 10057.5
  Top Layer w5: v2(1434,-1415) 1436.26,-1415 1456.69,-1435.43 J4.1@1492.13,-1435.43 ; v1(2460.98,-2124.92) 2463.96,-2124.92 2468.65,-2129.61 R20.1@2495.98,-2129.61 ; SJ1.1@3145.98,-1699.92 3145.98,-1667.85 3158.48,-1655.35 3158.48,-1627.43 v1(3173.98,-1611.93) ; v1(5369.91,-2369.37) J7.2@5413.43,-2369.37
  Top Layer w8: v2(-56.09,-728.09) 19.94,-728.09 U4.AE19@39.37,-708.66 ; v1(61,-18) 61,-19.81 78,-36.81 U4.AD2@78,-39 ; v1(336.28,-60) 336.28,-60.69 U4.U3@354.33,-78.74 ; v1(1474,-2186) 1487.97,-2186 1514.65,-2212.68 J11.2@1514.65,-2247.13 ; C34.1@3160.98,-1090.35 3175.98,-1075.36 3200.54,-1075.36 3220.98,-1054.92 R7.1@3481.3,-1054.92
  Top Layer w10: J10.75@-715.35,-1134.65 -647.43,-1134.65 -636.47,-1123.68 -629.32,-1123.68 v2@-629,-1124 ; J10.77@-715.35,-1109.65 -637.35,-1109.65 -630,-1117 v2(-630,-1121) ; v1(59.06,-846.46) U4.AD22@78.74,-826.77 ; v1(98.43,-964.57) U4.AC25@118.11,-944.88 ; v1(98.43,-137.8) U4.AC5@118.11,-157.48 ; v1(137.8,-688.98) U4.AB18@157.48,-669.29 ; v1(137.8,-570.87) U4.AB15@157.48,-551.18 ; v1(137.8,-216.54) U4.AB7@157.48,-236.22 ; U4.AA1@196.85,0 v2(196.85,39.37) ; v1(216.54,-925.2) U4.Y24@236.22,-905.51 ; v1(216.54,-531.5) U4.Y14@236.22,-511.81 ; v1(216.54,-295.28) U4.Y9@236.22,-314.96 ; v1(216.54,-98.43) U4.Y4@236.22,-118.11 ; v1(255.91,-374.02) U4.W11@275.59,-393.7 ; v1(255.91,-295.28) U4.W9@275.59,-314.96 ; v1(255.91,-216.54) U4.W7@275.59,-236.22 ; v1(334.65,-885.83) U4.U23@354.33,-866.14 ; v1(374.02,-1003.94) U4.T26@393.7,-984.25 ; v1(374.02,-177.17) U4.T6@393.7,-196.85 ; v1(452.76,-846.46) U4.P22@472.44,-826.77 ; v1(454.39,-19.69) 454.39,-20.5 472.44,-38.56 U4.P2@472.44,-39.37 ; U4.N25@511.81,-944.88 v1(531.5,-964.57) ; U4.N15@511.81,-551.18 v1(531.5,-570.87) ; U4.N5@511.81,-157.48 v1(531.5,-137.8) ; U4.M18@551.18,-669.29 v1(570.87,-688.98) ; U4.M8@551.18,-275.59 v1(570.87,-255.91) ; U4.L21@590.55,-787.4 v1(610.24,-807.09) ; U4.L1@590.55,0 592.63,2.08 592.63,16.11 593.73,17.21 593.73,19.68 ; U4.K24@629.92,-905.51 v1(649.61,-925.2) ; U4.K14@629.92,-511.81 v1(649.61,-531.5) ; U4.K4@629.92,-118.11 v1(649.61,-98.43) ; U4.J17@669.29,-629.92 v1(688.98,-649.61) ; U4.H20@708.66,-748.03 v1(728.35,-767.72) ; U4.G23@748.03,-866.14 v1(767.72,-885.83) ; U4.F26@787.4,-984.25 787.4,-1012.4 v1(790,-1015) ; U4.F16@787.4,-590.55 v1(807.09,-610.24) ; U4.E19@826.77,-708.66 v1(846.46,-728.35) ; U4.D22@866.14,-826.77 v1(885.83,-846.46) ; U4.C25@905.51,-944.88 v1(925.2,-964.57) ; U4.B18@944.88,-669.29 v1(964.57,-688.98) ; U4.A21@984.25,-787.4 1011.5,-787.4 1015.63,-783.28 v1(1039.5,-783.28) ; v2(1339.96,170.46) 1342.64,167.78 1342.64,144.25 1348.43,138.46 J5.1@1348.43,78.74 ; v2(1847,-2507) 1848.82,-2508.82 J1.2@1848.82,-2572.52
  Top Layer w12: J8.77@-270.65,-2429.35 v1@-270.65,-2352.65 ; J8.75@-245.65,-2427.35 v1@-245.65,-2350.65 ; v1(4784.31,-1726.82) 4797.64,-1740.15 LCD1.11@4797.64,-1796.93 ; v1(4825.2,-1731) 4829.14,-1734.94 LCD1.10@4829.14,-1796.93
  Top Layer w15: v1(177.17,-807.09) U4.AA21@196.85,-787.4 ; v1(255.91,-649.61) U4.W17@275.59,-629.92 ; v1(295.28,-767.72) U4.V20@314.96,-748.03 ; v1(374.02,-610.24) U4.T16@393.7,-590.55 ; v1(413.39,-728.35) U4.R19@433.07,-708.66 ; v1(4768.79,-1861.71) 4768.98,-1861.52 4788.76,-1861.52 4797.64,-1852.64 LCD1.11@4797.64,-1826.3
  Top Layer w20: v1(-19,-1019) -19,-1003.49 0,-984.49 U4.AF26@0,-984.25 ; LCD1.4@5017.73,-1787.63 v1(5017.73,-1743.36)
  Bottom Layer w5: R54.1@1987.7,-1536.83 1987.7,-1567.7 v2(1991,-1571) ; R62.1@3986.3,-252.7 3990.56,-248.44 v1(3990.56,-232.14) ; R64.1@3986.3,-199.92 3986.3,-180.54 v1(3986.3,-165.03) ; v1(4084.06,-751.91) 4086.17,-749.8 4086.17,-744.3 4086.3,-744.17 4086.3,-742.71 R67.2@4086.3,-724.86 ; C82.1@4185.98,-1052.36 4210.72,-1052.36 4217.07,-1052.36 v1(4217.44,-1051.99) ; v1(4245.67,-1036.53) 4245.67,-1061.5 C89.1@4245.98,-1061.81 ; C86.1@4253.58,-914.21 4267.1,-900.69 4267.25,-900.69 4269.41,-898.53 4282.26,-898.53 4284.42,-900.69 4293,-900.69 4295.93,-903.62 4295.93,-906.76 4297.36,-908.19 U11.42@4310.16,-908.19 ; v1(4255.48,-1511.72) 4255.48,-1508.74 4258.42,-1505.8 4258.42,-1504.75 C100.1@4258.43,-1480.02 ; v1(4265.02,-1283.11) 4265.02,-1251.33 R71.2@4266.3,-1250.05 ; C87.1@4304.09,-1199.92 4304.09,-1167.16 v1(4304.09,-1139.42) ; U11.33@4310.16,-1049.93 v1(4362.91,-1049.93) ; v1(4323.12,-223.63) 4323.12,-216.67 C55.1@4323.12,-198.03 ; U11.43@4343.62,-874.73 U11.44@4359.37,-874.73 ; C83.1@4365.98,-253.08 v1(4365.98,-227.48) ; C54.1@4371.07,-198.03 4385.43,-183.67 4391.59,-183.67 4394.73,-180.53 4394.73,-166.98 v1(4396.67,-165.03) ; U18.8@4420.98,-323.57 4421.86,-322.69 4421.86,-290.14 v1(4422.73,-289.27) ; v1(4436.42,-248.75) 4436.42,-241.78 U13.16@4436.42,-212.13 ; U11.22@4438.11,-1146.38 v1(4438.11,-1116.65) ; v1(4440.58,-1894.18) U3.8@4440.58,-1848.7 ; v1(4462.01,-248.75) U13.15@4462.01,-212.13 ; C65.1@4495.98,-1941.81 v1(4495.98,-1916.21) ; C88.1@4571.82,-799.92 4571.82,-781.29 4571.82,-774.32 v1(4572.06,-774.08) ; U11.10@4581.81,-1049.93 v1(4607.78,-1049.93) ; v1(4800.98,-1404.42) R163.2@4800.98,-1379.61 ; R46.1@4823.76,-919.9 v1@4823.76,-902.05 ; v1(4850.98,-1404.42) R164.2@4850.98,-1379.61 ; R162.2@4856.3,-1277.11 v1(4856.3,-1267.42) ; v1(4866.01,-1605.03) 4866.3,-1604.73 4866.3,-1597.77 R161.2@4866.3,-1579.92 ; R165.2@4900.98,-1379.61 4901.98,-1380.61 v1(4901.98,-1404.42) ; C114.1@4904.09,-1699.92 v1(4929.69,-1699.92) ; R166.2@5105.98,-1280.24 v1(5105.98,-1255.43) ; R160.2@5160.98,-1280.55 5160.98,-1262.7 v1(5160.98,-1255.74) ; v1(5353.21,-1104.42) 5353.21,-1097.45 R45.1@5353.21,-1079.61
  Bottom Layer w6: P3.17@2812.99,145.2 P3.17@2812.99,161.68
  Bottom Layer w8: v2@1342,168 1346.75,168 1355.75,159 SJ2.1@1446.57,159 ; v1(1852,-82) 1852,-82.31 1856.69,-87 R125.1@1910.54,-87 ; C24.1@2217.02,-210.83 2225.61,-202.23 2245.77,-202.23 v1(2247,-201) ; R134.1@4018.11,-1212.28 R5.1@4088.98,-1212.28 4090.94,-1212.28 4161.78,-1283.11 v1(4265.02,-1283.11) ; C88.1@4571.82,-799.92 4571.82,-823.08 4603.38,-854.64 4603.38,-899.29 4594.48,-908.19 U11.1@4581.81,-908.19 ; v1(4929.69,-1699.92) 4931.86,-1699.92 4938.64,-1693.14 4964.43,-1693.14 4970.88,-1686.69 SD1.4@4974.21,-1683.36
  Bottom Layer w10: C152.1@-41,-831 -6,-831 9.46,-846.46 v1(59.06,-846.46) ; v1(216.54,-531.5) 216.54,-505.83 227.36,-495 C110.1@228,-495 ; C153.1@242.51,-613.55 242.51,-637.51 v1@256,-651 ; R203.1@374.02,-1653.54 v2(374.04,-1628.06) ; C25.1@491.57,-598.63 518.18,-572.01 528.99,-572.01 v1@532,-569 ; v2(493,-1583) 493,-1585 501.43,-1593.43 C69.1@553,-1593.43 ; C72.1@550,-1732.44 556.14,-1726.3 v2(556.14,-1695.2) ; C69.1@553,-1593 553.43,-1593.43 C69.1@553.5,-1593.43 602.32,-1593.43 L5.1@604.76,-1595.87 ; C72.1@555,-1735 557.56,-1732.44 598.7,-1732.44 L6.1@606.26,-1740 ; v1(649.61,-531.5) 667.61,-549.5 696.43,-549.5 710.24,-535.69 710.24,-496.24 C26.1@710,-496 ; C21.1@873.11,-809 873.11,-833.11 v1@886,-846 ; v1@927,-964 927.57,-964.57 C154.1@966.14,-964.57 ; U5.20@934.92,-1467.72 934.92,-1438.08 953,-1420 v2(981,-1420) ; v2(1007,-1912) 1009.98,-1909.02 C138.1@1030,-1909.02 ; C138.1@1030,-1904 1030.69,-1904 1033.27,-1901.42 1033.27,-1824.09 U5.56@1033.35,-1824.02 ; v2(1111,-1910) 1111.45,-1910.45 1156.67,-1910.45 C75.1@1157.13,-1910.91 ; U5.50@1151.46,-1824.02 1151.46,-1861.46 1157.13,-1867.13 C75.1@1157.13,-1907.13 ; U5.31@1151.46,-1467.72 1151.46,-1435.86 1157.31,-1430 1191.46,-1430 1193.46,-1432 1212,-1432 1237.87,-1457.87 1247.24,-1457.87 ; R200.2@1175.05,-2299.65 R201.2@1227.36,-2299.65 1312.65,-2299.65 v1(1322,-2309) ; U5.42@1201.65,-1675.39 1201.73,-1675.47 1224.97,-1675.47 1234.77,-1685.27 1257.01,-1685.27 C136.1@1260,-1688.26 ; R6.1@1217.13,231.34 1279.08,231.34 v2(1339.96,170.46) ; v2(1242.04,-1438.5) 1243.5,-1439.96 1243.5,-1453.58 1247.24,-1457.32 C137.1@1271.65,-1457.32 ; v2(1255,-1821.1) 1258.79,-1821.1 1263.24,-1825.55 R199.1@1303.5,-1825.55 ; v1(1260.66,-1664) 1264.61,-1667.95 C136.1@1264.61,-1690.43 ; U16.6@1408.5,-1609.57 1408.5,-1658.5 1415,-1665 1500,-1665 1508.5,-1656.5 1508.5,-1626.5 U16.8@1510,-1625 ; C79.1@1501.61,-1535.87 C79.1@1505.06,-1535.87 ; U16.8@1508.5,-1609.57 1505.06,-1606.12 C79.1@1505.06,-1535.87 ; v1(1594,-1687) 1594,-1562 1567.87,-1535.87 C79.1@1505.06,-1535.87 ; R119.1@1881.81,-2106.81 R120.1@1881.81,-2055.63 1881.81,-1933.19 v2(1900,-1915) ; v2(2076,-2657) 2081,-2652 R126.1@2081,-2599.46 ; v2(2761,-1095) 2763.89,-1097.89 U23.5@2763.89,-1137.71 ; U22.5@2918.49,-1137.71 2923,-1133.2 v2(2923,-1095) ; R212.2@3087.01,332.99 3126.01,332.99 v1(3128,331) ; C86.1@4253.58,-914.21 C86.1@4245.98,-921.81 v1(4245.98,-896.21) 4246.37,-895.82 4246.37,-884.08 4278.53,-851.92 4293.44,-851.92 4293.89,-852.37 4321.26,-852.37 U11.43@4343.62,-874.73 ; U11.48@4422.36,-874.73 4422.36,-845.43 4438.11,-829.69 ; v1(4436.48,-769.92) 4436.48,-771.54 4440.05,-775.12 C90.1@4440.05,-799.92 4438.11,-801.87 4438.11,-829.69 ; U11.49@4438.11,-874.73 4438.11,-829.69 ; R127.1@4632.92,-2348.39 4634.89,-2348.39 4660.28,-2373.77 4662.84,-2373.77 v1(4663.98,-2374.92) 4665.13,-2373.77 4668.63,-2373.77 4694.02,-2348.39 R128.1@4695.98,-2348.39 ; v1(4781.89,-2371.73) 4782.87,-2370.75 4812.4,-2370.75 R21.2@4813.39,-2369.76 ; v1(4809.45,-2186.69) 4810.6,-2187.84 4810.6,-2213.04 C64.2@4813.39,-2215.83 4819.69,-2222.13 U7.15@4884.25,-2222.13